# Altium PCB Wireless_thermometer_one_PCB.PcbDoc (continued)
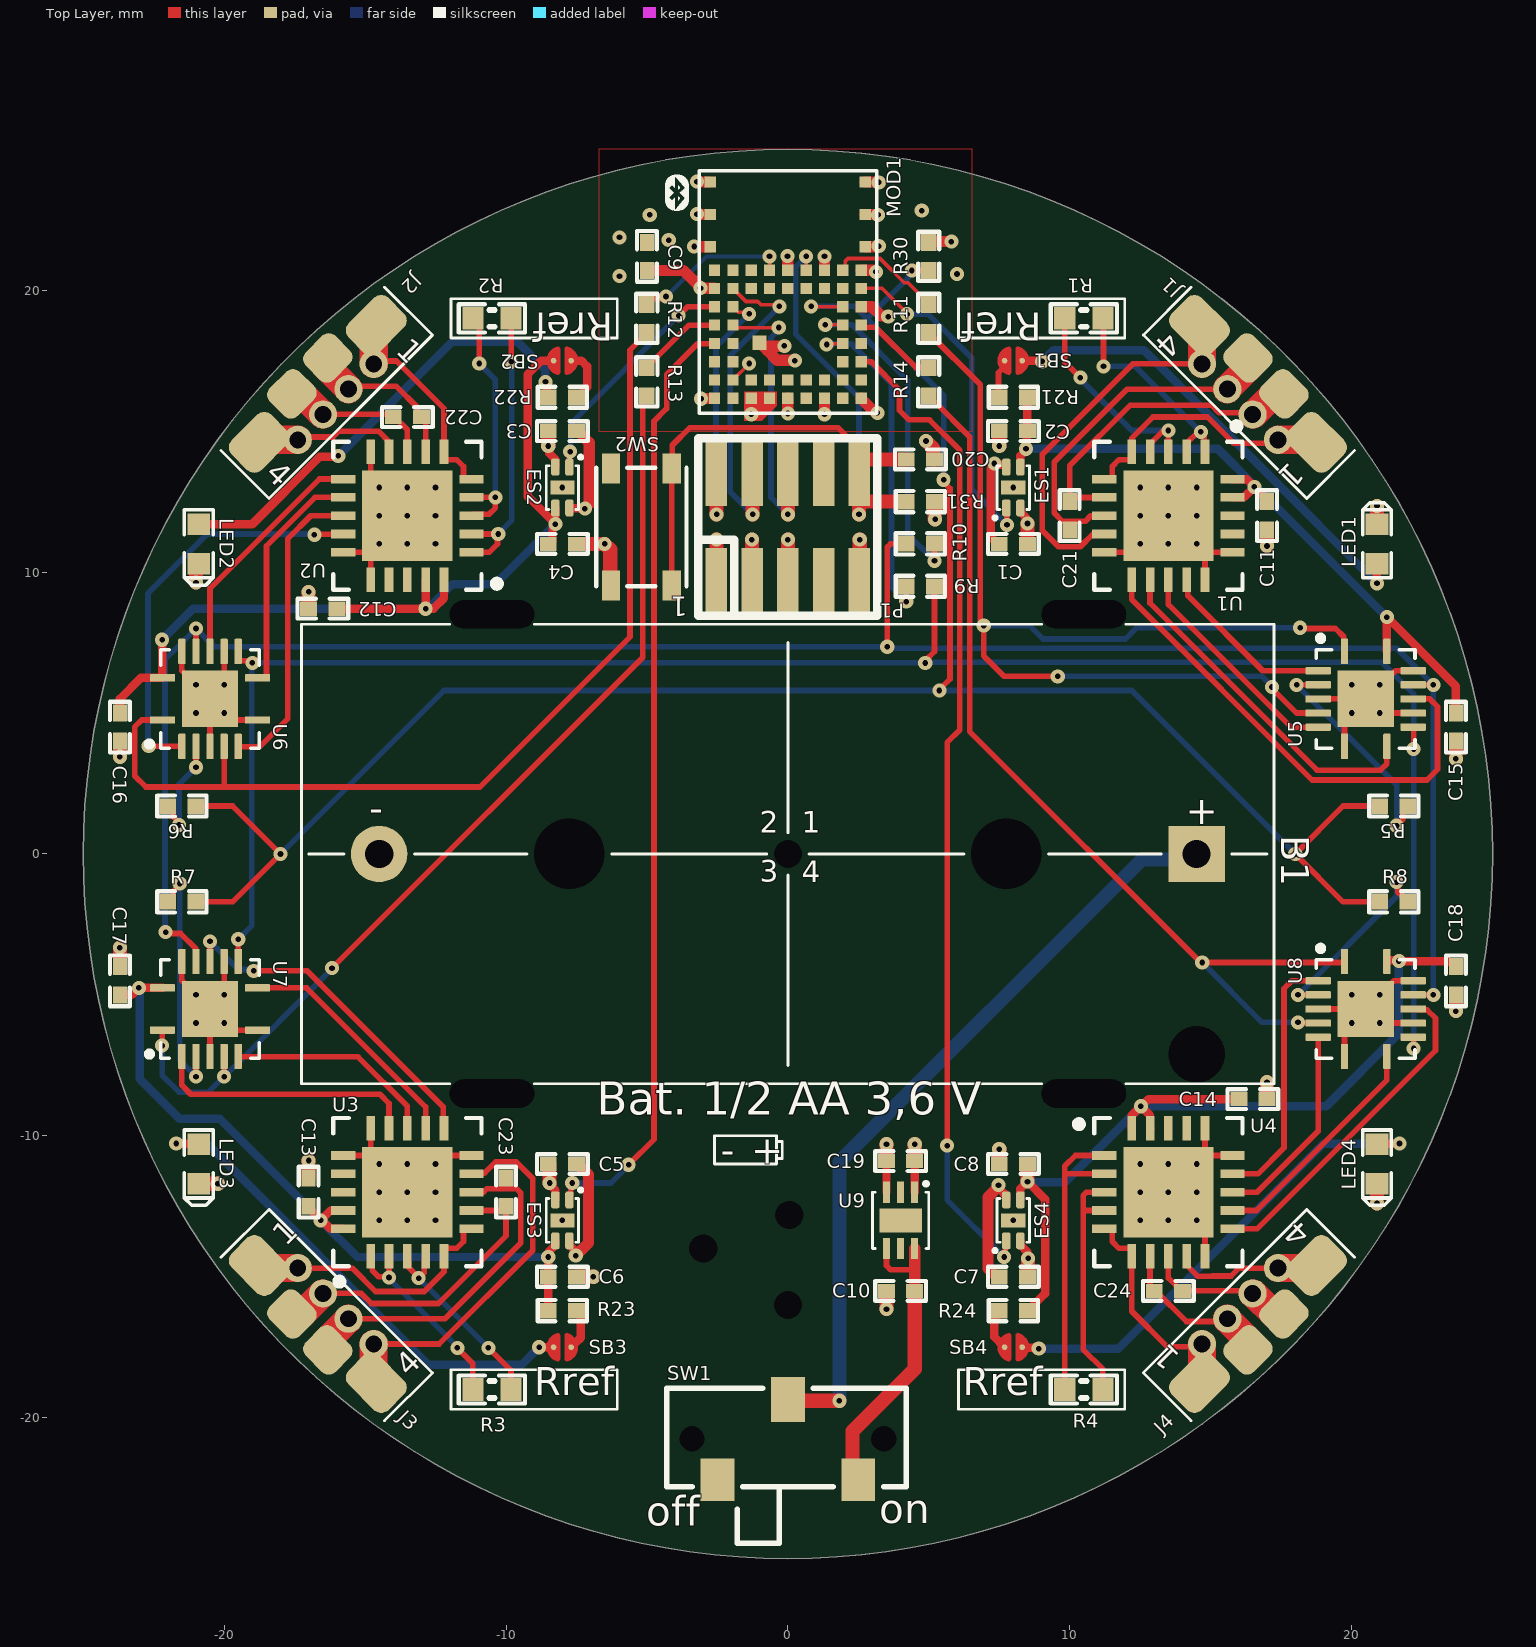
[diagram p0: Top Layer view]
## Nets (pads, with @x,y where several pads share a name; then routed paths per layer and width w, separated by ;. In a path a pad name is that pad's centre, name@x,y a point inside that pad or via, vN(x,y) a via of type N, cw(c..) or ccw(c..) an arc to the next point about the centre after c; other vN are vias at no path point) (continued)
NetB1_1: B1.1 SW1.2 | length 27.5
  Top Layer w0.5: SW1.2 0.05,-19.4 v1(1.825,-19.4)
  Inner Layer 2 - VDD w0.5: B1.1@14.309,-0.191 B1.1
  Bottom Layer w0.5: v1(1.825,-19.4) 1.825,-10.925 12.559,-0.191 B1.1@14.309,-0.191
NetC10_2: C10.2 SW1.3 U9.4 U9.6 | length 10.9
  Top Layer w0.2: U9.4 3.5,-14.604 3.646,-14.75 4.5,-14.75 ; 4.5,-14.6 4.525,-14.6
  Top Layer w0.4: C10.2@4.5,-15.475 4.5,-14.6 U9.6
  Top Layer w0.5: SW1.3 2.3,-22 2.3,-20.475 4.5,-18.275 C10.2
NetC21_1: C21.1 J1.3 U1.8 | length 12.5
  Top Layer w0.2: U1.8 11.225,11.997 10.747,11.997 10.55,11.8 9.75,11.8 9.45,12.1 9.45,13.9 12.039,16.489 J1.3@15.591,16.489
  Top Layer w1: J1.3@15.591,16.489 15.591,16.511 16.4,17.319 J1.3@16.4,17.675
NetC21_2: C21.2 J1.2 U1.7 | length 12.5
  Top Layer w0.2: 10,13.35 10,12.65 10.003,12.647 11.225,12.647 U1.7 ; 10,13.375 10,13.775 12.15,15.925 15.025,15.925 15.299,15.651 16.571,15.651 16.712,15.651 17.419,16.359 J1.2@17.435,16.375
  Top Layer w1: J1.2@16.489,15.591 16.511,15.591 16.571,15.651 17.278,16.359 17.419,16.359 17.561,16.359 J1.2@17.596,16.323
NetC22_1: C22.1 J2.3 U2.8 | length 6
  Top Layer w0.2: J2.3@-17.7,16.475 J2.3@-17.535,16.475 ; J2.3@-16.752,15.691 J2.3@-16.641,15.691 ; J2.3@-16.65,15.7 J2.3@-16.641,15.691 ; J2.3@-16.589,15.691 -16.611,15.691 J2.3@-16.641,15.691 ; U2.8@-13.503,14.272 U2.8@-13.5,14.275 ; U2.8 U2.8@-13.5,14.275 ; J2.3@-16.641,15.691 -16.546,15.596 -16.515,15.596 -14.096,15.596 C22.1 -13.95,15.5 -13.5,15.05 U2.8@-13.5,14.275
  Top Layer w1: J2.3@-17.596,16.323 -17.561,16.359 -17.278,16.359 -16.611,15.691 -16.515,15.596 -16.511,15.591 J2.3@-16.489,15.591
NetC22_2: C22.2 J2.2 U2.7 | length 6.2
  Top Layer w0.2: J2.2@-16.45,17.51 J2.2@-16.45,17.65 ; J2.2@-15.691,16.589 J2.2@-15.691,16.591 ; J2.2@-15.691,16.752 -15.691,16.611 J2.2@-15.691,16.591 ; C22.2 -13.05,15.5 -13.15,15.6 -13.15,15.85 -13.889,16.589 -15.67,16.589 -15.689,16.589 J2.2@-15.691,16.591 ; C22.2@-12.853,15.472 -12.853,14.275 U2.7
  Top Layer w1: J2.2@-16.323,17.596 -16.359,17.561 -16.359,17.278 -15.691,16.611 -15.67,16.589 -15.591,16.511 J2.2@-15.591,16.489
NetC23_1: C23.1 J3.3 U3.8 | length 13.8
  Top Layer w0.2: J3.3@-16.625,-17.75 -16.625,-17.685 -16.359,-17.419 -15.691,-16.752 -15.691,-16.611 J3.3@-15.691,-16.589 ; J3.3@-15.591,-16.489 -12.164,-16.489 -9.475,-13.8 -9.475,-12.025 -9.625,-11.875 -10,-11.875 ; U3.8@-11.15,-12 U3.8@-11.147,-11.997 ; U3.8@-10.8,-12 -10.675,-11.875 -10,-11.875 ; C23.1 -10,-11.875
  Top Layer w1: J3.3@-16.323,-17.596 -16.359,-17.561 -16.359,-17.419 -16.359,-17.278 -15.691,-16.611 -15.591,-16.511 J3.3@-15.591,-16.489
NetC23_2: C23.2 J3.2 U3.7 | length 12.4
  Top Layer w0.2: J3.2@-17.7,-16.425 -17.485,-16.425 -17.419,-16.359 J3.2@-16.752,-15.691 ; J3.2@-16.489,-15.591 -15.134,-15.591 -14.775,-15.95 -12.4,-15.95 -10,-13.55 C23.2@-10,-12.65 ; U3.7 C23.2@-10.1,-12.65
  Top Layer w1: J3.2@-17.596,-16.323 -17.561,-16.359 -17.419,-16.359 -17.278,-16.359 -16.511,-15.591 J3.2@-16.489,-15.591
NetC24_1: C24.1 J4.3 U4.8 | length 6.7
  Top Layer w0.2: U4.8 13.5,-15.05 13.975,-15.525 C24.1@14.025,-15.525 ; C24.1 16.225,-15.5 16.302,-15.577 16.312,-15.577 16.325,-15.589 J4.3@16.325,-15.6 ; J4.3@16.6,-15.675 16.735,-15.675 17.419,-16.359 17.448,-16.388 J4.3@17.661,-16.388
  Top Layer w1: J4.3@16.489,-15.591 16.511,-15.591 17.278,-16.359 17.419,-16.359 17.561,-16.359 J4.3@17.596,-16.323
NetC24_2: C24.2 J4.2 U4.7 | length 6.8
  Top Layer w0.2: C24.2@12.85,-15.55 U4.7 ; C24.2 13.05,-15.5 14.139,-16.589 15.664,-16.589 J4.2@15.675,-16.6 ; J4.2@15.725,-16.785 J4.2@16.359,-17.419 ; J4.2@16.388,-17.661 J4.2@16.388,-17.596
  Top Layer w1: J4.2@15.591,-16.489 15.591,-16.511 16.359,-17.278 16.359,-17.419 16.359,-17.561 J4.2@16.323,-17.596
NetJ1_1: J1.1 U1.5 U1.6 | length 10.9
  Top Layer w0.2: U1.6 11.481,13.3 11.509,13.328 11.509,13.75 11.75,13.992 12.172,13.992 12.175,13.994 U1.5@12.175,14 ; U1.5@12.203,14.153 12.203,14.753 12.95,15.5 14.884,15.5 15.809,14.575 17.269,14.575 J1.1@17.387,14.693 ; J1.1@17.53,14.836 18.714,14.836 J1.1@18.875,14.675
  Top Layer w1: J1.1@17.387,14.693 18.137,14.693 18.222,14.778 18.575,14.778 J1.1@18.752,14.601
NetJ1_4: J1.4 U1.9 | length 13.8
  Top Layer w0.2: U1.9@11.225,11.35 11.222,11.347 10.822,11.347 10.375,10.9 9.6,10.9 9.025,11.475 9.025,14.175 12.237,17.387 J1.4@14.693,17.387
  Top Layer w1: J1.4@14.601,18.752 14.778,18.575 14.778,18.222 14.693,18.137 J1.4@14.693,17.387
NetJ2_1: J2.1 U2.5 U2.6 | length 7.7
  Top Layer w0.2: J2.1@-14.778,17.487 -13.887,17.487 -12.2,15.8 U2.6@-12.2,14.325 ; U2.6 -12.2,14.019 -12.172,13.991 -11.75,13.991 -11.509,13.75 -11.509,13.328 -11.481,13.3 U2.5@-11.475,13.3
  Top Layer w1: J2.1@-14.693,17.387 -14.693,18.137 -14.778,18.222 -14.778,18.575 J2.1@-14.601,18.752
NetJ2_4: J2.4 U2.9 | length 6.3
  Top Layer w0.2: J2.4@-18.718,14.836 J2.4@-17.487,14.836 ; J2.4@-17.487,14.793 -17.386,14.793 -16.132,14.793 -15.925,15 -14.525,15 U2.9@-14.15,14.625
  Top Layer w1: J2.4@-18.752,14.601 -18.575,14.778 -18.222,14.778 -18.137,14.693 J2.4@-17.387,14.693
NetJ3_1: J3.1 U3.5 U3.6 | length 9.4
  Top Layer w0.2: J3.1@-17.387,-14.693 -15.457,-14.693 -14.625,-15.525 -12.9,-15.525 -12.2,-14.825 U3.5@-12.2,-14.3 ; U3.5 -12.2,-14.019 -12.172,-13.991 -11.75,-13.991 -11.509,-13.75 -11.509,-13.328 -11.481,-13.3 U3.6@-11.425,-13.3
  Top Layer w1: J3.1@-18.752,-14.601 -18.575,-14.778 -18.222,-14.778 -18.137,-14.693 J3.1@-17.387,-14.693
NetJ3_4: J3.4 U3.9 | length 13.5
  Top Layer w0.2: J3.4@-14.693,-17.387 -12.372,-17.387 -9.05,-14.066 -9.05,-11.511 -9.636,-10.925 -10.364,-10.925 -10.761,-11.322 -11.122,-11.322 U3.9@-11.15,-11.35
  Top Layer w1: J3.4@-14.701,-18.699 -14.778,-18.622 -14.778,-18.222 -14.701,-18.145 -14.701,-17.395 J3.4@-14.693,-17.387
NetJ4_1: J4.1 U4.5 U4.6 | length 8.3
  Top Layer w0.2: U4.5 11.481,-13.3 11.509,-13.328 11.509,-13.75 11.75,-13.991 12.172,-13.991 12.2,-14.019 12.2,-16.225 13.462,-17.487 14.713,-17.487 J4.1@14.75,-17.45
  Top Layer w1: J4.1@14.601,-18.752 14.778,-18.575 14.778,-18.222 14.693,-18.137 J4.1@14.693,-17.387
NetJ4_4: J4.4 U4.9 | length 6.6
  Top Layer w0.2: U4.9 14.178,-14.299 14.178,-14.621 14.533,-14.977 15.067,-14.977 15.069,-14.975 15.725,-14.975 16.007,-14.693 17.182,-14.693 J4.4@17.25,-14.625 ; J4.4@17.53,-14.836 18.739,-14.836 J4.4@18.875,-14.7
  Top Layer w1: J4.4@17.387,-14.693 18.137,-14.693 18.222,-14.778 18.575,-14.778 J4.4@18.752,-14.601
NetLED1_2: LED1.2 SB1.1 | length 16.8
  Top Layer w0.3: SB1.1@8.338,17.5 9,17.5 v1(9.025,17.475) ; v1(20.9,9.6) 20.9,10.175 LED1.2@20.975,10.25
  Bottom Layer w0.3: v1(9.025,17.475) 9.425,17.875 12.625,17.875 16.818,13.682 v1(20.9,9.6)
NetLED2_2: LED2.2 R22.2 | length 16.5
  Top Layer w0.3: LED2.2@-21,11.699 -19.001,11.699 -16.613,14.087 -15.988,14.087 v1(-15.95,14.125) ; v1(-8.6,16.75) -8.562,16.712 -8.562,16.262 R22.2
  Bottom Layer w0.3: v1(-15.95,14.125) -11.9,18.175 -9.6,18.175 -8.6,17.175 v1(-8.6,16.75)
NetLED3_2: LED3.2 SB3.1 | length 17.6
  Top Layer w0.3: v1(-21.7,-10.275) -21.687,-10.288 -20.987,-10.288 LED3.2@-20.975,-10.3 ; v1(-8.825,-17.5) SB3.1@-8.338,-17.5
  Bottom Layer w0.3: v1(-21.7,-10.275) -20.6,-10.275 -12.75,-18.125 -9.45,-18.125 v1(-8.825,-17.5)
NetLED4_2: LED4.2 SB4.1 | length 17.2
  Top Layer w0.3: SB4.1@8.338,-17.425 8.425,-17.512 8.862,-17.512 v1(8.9,-17.55) ; LED4.2@21.013,-10.363 21.1,-10.275 v1(21.7,-10.275)
  Bottom Layer w0.3: v1(8.9,-17.55) 11.725,-17.55 19,-10.275 v1(21.7,-10.275)
NetMOD1_4: MOD1.4 R12.1 | length 5.6
  Top Layer w0.125: MOD1.4@-0.65,20.675 v1(-0.65,21.2)
  Top Layer w0.2: R12.1@-4.987,19.462 -4.987,19.537 -4.825,19.7 -4.481,19.7 -4.406,19.775 v1(-4.325,19.775)
  Bottom Layer w0.15: v1@-4.314,19.775 -2.889,21.2 v1(-0.65,21.2)
  Bottom Layer w0.2: v1(-4.325,19.775) v1@-4.314,19.775
NetMOD1_8: MOD1.8 R11.1 | length 4.1
  Top Layer w0.125: MOD1.8@1.95,20.7 2.044,20.794 2.044,21.037 2.131,21.125 3.269,21.125 4.131,20.262 4.263,20.262 5,19.525 R11.1
NetMOD1_12: MOD1.12 R14.1 | length 3
  Top Layer w0.2: MOD1.12 2.681,18.682 3.118,18.682 4.542,17.258 R14.1@5.017,17.258
NetMOD1_28: MOD1.28 R13.1 | length 3
  Top Layer w0.125: R13.1 R13.1@-5,17.275
  Top Layer w0.2: R13.1@-5,17.275 -3.512,18.763 MOD1.28
NetMOD1_39: MOD1.39 R10.2 | length 11.8
  Top Layer w0.125: v1(1.325,18.775) 1.331,18.769 1.944,18.769 MOD1.39
  Top Layer w0.2: v1(5.2,10.4) R10.2
  Bottom Layer w0.2: v1(1.325,18.775) 2.275,18.775 4.25,16.8 4.25,11.35 v1(5.2,10.4)
NetMOD1_40: MOD1.40 R9.2 | length 12
  Top Layer w0.125: v1(1.375,18.075) 1.394,18.094 1.931,18.094 MOD1.40
  Top Layer w0.2: v1(4.2,8.95) R9.2
  Bottom Layer w0.2: v1(1.375,18.075) 1.4,18.1 2.25,18.1 3.675,16.675 3.675,9.475 v1(4.2,8.95)
NetR1_1: R1.1 U1.3 U1.4 | length 8.1
  Top Layer w0.2: R1.1 9.825,17.45 v1(10.375,16.9) ; U1.4 12.85,14.549 13.269,14.968 13.443,14.968 v1(13.5,15.025) ; U1.3 v1@13.5,14.952
  Bottom Layer w0.2: v1(10.375,16.9) 10.375,16.85 12.2,15.025 v1(13.5,15.025)
NetR1_2: R1.2 U1.1 U1.2 | length 7.9
  Top Layer w0.2: R1.2 11.2,18.975 v1(11.2,17.3) ; U1.2 14.203,14.325 14.203,14.628 14.493,14.918 14.593,14.918 v1(14.65,14.975) 14.65,14.907 14.772,14.785 14.772,14.296 U1.1@14.797,14.272
  Bottom Layer w0.2: v1(11.2,17.3) 12.325,17.3 v1(14.65,14.975)
NetR2_1: R2.1 U2.3 U2.4 | length 8.6
  Top Layer w0.2: U2.3 -11.175,12.053 -10.597,12.053 -10.376,12.274 -10.376,12.649 v1(-10.375,12.65) -10.378,12.653 -10.948,12.653 U2.4@-10.951,12.65 ; R2.1 -10.95,18.775 v1(-10.95,17.4)
  Bottom Layer w0.2: v1(-10.95,17.4) -10.375,16.825 v1(-10.375,12.65)
NetR2_2: R2.2 U2.1 U2.2 | length 10.2
  Top Layer w0.2: U2.1 -10.6,10.7 -10.301,10.999 -10.301,11.324 v1(-10.275,11.35) U2.2 ; R2.2 -9.813,18.987 -9.813,17.462 v1(-9.816,17.459)
  Bottom Layer w0.2: v1(-10.275,11.35) -9.8,11.825 -9.8,17.443 v1(-9.816,17.459)
NetR3_1: R3.1 U3.3 U3.4 | length 7.1
  Top Layer w0.2: U3.3 -13.447,-14.325 -13.447,-14.682 -13.1,-15.029 v1(-13.1,-15.05) -12.903,-14.853 -12.903,-14.325 U3.4 ; v1(-10.625,-17.525) -9.825,-18.325 R3.1
  Bottom Layer w0.2: v1(-13.1,-15.05) v1(-10.625,-17.525)
NetR3_2: R3.2 U3.1 U3.2 | length 7.2
  Top Layer w0.2: U3.1 -14.747,-14.325 -14.747,-14.778 -14.523,-15.002 -14.173,-15.002 v1(-14.15,-15.025) U3.2 ; v1(-11.725,-17.525) -11.725,-17.536 -11.175,-18.086 R3.2
  Bottom Layer w0.2: v1(-14.15,-15.025) -14.15,-15.062 -11.725,-17.487 v1(-11.725,-17.525)
NetR4_1: R4.1 U4.3 U4.4 | length 8.7
  Top Layer w0.2: R4.1 11.175,-18.275 10.475,-17.575 10.475,-12.625 ; U4.4 10.5,-12.65 10.475,-12.625 ; U4.3 10.592,-12 10.475,-12.117 10.475,-12.625
NetR4_2: R4.2 U4.1 U4.2 | length 10.9
  Top Layer w0.2: R4.2 9.825,-11.325 ; U4.2 9.85,-11.35 9.825,-11.325 ; U4.1 10.2,-10.7 9.825,-11.075 9.825,-11.325
NetR5_2: R5.2 U5.3 | length 8.1
  Top Layer w0.2: v1(18.05,6) 18.8,6 U5.3@18.825,5.975 ; v1@21.7,1.025 21.7,1.106 21.809,1.215 21.809,1.525 21.987,1.704 R5.2@22,1.704
  Bottom Layer w0.2: v1(18.05,6) 21.6,2.45 v1(21.6,1)
NetR6_2: R6.2 U6.3 | length 3.9
  Top Layer w0.2: R6.2 -21.975,1.7 -21.8,1.525 -21.8,1.306 -21.6,1.106 v1(-21.6,1.025) ; v1(-21,3.075) -21,3.1 U6.3
  Bottom Layer w0.2: v1(-21.6,1.025) -21.6,2.475 v1(-21,3.075)
NetR7_2: R7.2 U7.3 | length 8.6
  Top Layer w0.2: R7.2 -21.975,-1.7 -21.8,-1.525 -21.8,-1.317 -21.575,-1.092 v1(-21.575,-1.05) ; v1(-21,-7.9) U7.3
  Bottom Layer w0.2: v1(-21.575,-1.05) -21.575,-7.325 v1(-21,-7.9)
NetR8_2: R8.2 U8.3 | length 7
  Top Layer w0.2: v1(18.1,-5) U8.3 ; v1(21.6,-1) 21.639,-1.039 21.639,-1.339 21.8,-1.5 21.8,-1.525 21.975,-1.7 R8.2
  Bottom Layer w0.2: v1(18.1,-5) 21.6,-1.5 v1(21.6,-1)
NetR21_2: R21.2 SB1.2 | length 1.4
  Top Layer w0.2: R21.2@7.475,16.175 7.475,17.075 7.688,17.288 SB1.2
NetR22_1: R22.1 SB2.1 | length 1.9
  Top Layer w0.3: SB2.1 -7.513,17.5 -7.325,17.5 -7.125,17.3 -7.125,16.55 -7.475,16.2 R22.1
NetR23_2: R23.2 SB3.2 | length 1.5
  Top Layer w0.2: R23.2@-7.662,-16.212 R23.2@-7.65,-16.2
  Top Layer w0.3: SB3.2 -7.539,-17.351 -7.35,-17.162 -7.35,-16.325 -7.475,-16.2 R23.2
NetR24_2: R24.2 SB4.2 | length 1.5
  Top Layer w0.2: 7.525,-17.337 7.539,-17.351 SB4.2
  Top Layer w0.3: R24.2 7.475,-16.2 7.35,-16.325 7.35,-16.476 7.325,-16.501 7.325,-17.137 7.525,-17.337
NetU1_11: U1.11 U5.11 | length 17.4
  Top Layer w0.2: U1.11 12.2,9.025 18.6,2.625 22.675,2.625 23.05,3 23.05,5.225 22.775,5.5 U5.11@22.3,5.5
NetU1_12: U1.12 U5.8 | length 12.4
  Top Layer w0.2: U1.12 12.85,8.9 18.775,2.975 21.025,2.975 21.25,3.2 U5.8@21.25,3.775
NetU1_13: U1.13 U5.6 | length 8
  Top Layer w0.2: U1.13 13.5,8.85 17.85,4.5 U5.6@18.775,4.5
NetU1_14: U1.14 U5.2 | length 6.3
  Top Layer w0.2: U1.14 14.189,9.689 14.189,9.161 16.85,6.5 U5.2
NetU2_11: U2.11 U6.11 | length 8.2
  Top Layer w0.2: U6.11 -20.5,9.42 -16.62,13.3 U2.11@-16.1,13.3
NetU2_12: U2.12 U6.8 | length 8.3
  Top Layer w0.2: U6.8 -18.527,6.25 -18.497,6.28 -18.497,10.928 -16.775,12.65 U2.12@-15.931,12.65
NetU2_13: U2.13 U6.6 | length 10.5
  Top Layer w0.2: U6.6@-19.5,3.8 -18.75,3.8 -17.739,4.811 -17.739,11.186 -16.925,12 U2.13@-16.133,12
NetU2_14: U2.14 U6.2 | length 14.4
  Top Layer w0.2: v1(-22.675,3.825) U6.2@-21.51,3.825 ; v1(-16.8,11.325) -16.788,11.337 -15.784,11.337 U2.14
  Bottom Layer w0.2: v1(-22.675,3.825) -22.7,3.85 -22.7,9.25 -20.6,11.35 -16.825,11.35 v1(-16.8,11.325)
NetU3_11: U3.11 U7.11 | length 12.2
  Top Layer w0.2: U7.11@-20.5,-3.725 v1(-20.5,-3.1) ; v1(-18.95,-4.15) -17.05,-4.15 -12.229,-8.971 -12.229,-9.846 U3.11@-12.2,-9.875
  Bottom Layer w0.2: v1(-20.5,-3.1) -19.5,-4.1 -19,-4.1 v1(-18.95,-4.15)
NetU3_12: U3.12 U7.8 | length 8.5
  Top Layer w0.2: U7.8 -17.075,-4.75 -12.85,-8.975 U3.12@-12.85,-9.8
NetU3_13: U3.13 U7.6 | length 7.5
  Top Layer w0.2: U7.6@-19.5,-7.2 -15.25,-7.2 -13.5,-8.95 U3.13
NetU3_14: U3.14 U7.2 | length 9.5
  Top Layer w0.2: U7.2 -21.5,-8.207 -21.182,-8.525 -14.475,-8.525 -14.15,-8.85 U3.14
NetU4_11: U4.11 U8.11 | length 11.9
  Top Layer w0.2: U4.11@15.775,-13.3 16.65,-13.3 22.975,-6.975 22.975,-5.825 22.68,-5.53 22.215,-5.53 U8.11
NetU4_12: U4.12 U8.8 | length 8.2
  Top Layer w0.2: U4.12 16.624,-12.65 21.25,-8.024 U8.8@21.25,-7.225
NetU4_13: U4.13 U8.6 | length 7.3
  Top Layer w0.2: U4.13 16.65,-12 18.815,-9.835 U8.6
NetU4_14: U4.14 U8.2 | length 9.2
  Top Layer w0.2: U4.14 16.675,-11.35 17.6,-10.425 17.6,-4.778 17.878,-4.5 U8.2
nRESET_1: C20.2 MOD1.6 P1.10 R31.1 SW2.2 | length 28.5
  Top Layer w0.125: MOD1.6 v1@0.65,21.175
  Top Layer w0.2: SW2.2@-4.125,9.525 -4.125,13.675 -4.1,13.7 -4.1,14.5 -3.475,15.125 1.785,15.125 2.54,14.37 P1.10@2.54,13.87
  Top Layer w0.5: v1(2.525,12.05) P1.10@2.525,12.5 ; R31.1@4.175,12.5 2.7,12.5 2.67,12.53 2.67,13.42 P1.10 2.54,13.87 2.67,14 C20.2
  Bottom Layer w0.2: v1(0.65,21.2) 0.275,20.825 0.275,18.45 2.525,16.2 v1(2.525,12.05)
SCLK: R9.1 U5.9 U6.9 U7.9 U8.9 | length 69.6
  Top Layer w0.2: U7.9 v1(-19.5,-3.025) ; U6.9@-19.5,6.865 -19.495,6.86 -19.145,6.86 -19.065,6.78 v1(-18.997,6.78) ; v1(4.875,6.775) 4.875,6.856 5.2,7.181 R9.1 ; U5.9 22.195,4.5 22.2,4.495 v1(22.2,3.725) ; v1(22.2,-6.9) U8.9@22.2,-6.5
  Bottom Layer w0.2: v1(-19.5,-3.025) -19.025,-2.55 -19.025,6.752 v1(-18.997,6.78) ; v1@-18.994,6.784 -18.987,6.777 4.872,6.777 v1(4.875,6.775) 4.907,6.807 21.068,6.807 22.2,5.675 v1(22.2,3.725) v1(22.2,-6.9)
SDI: R10.1 U5.12 U6.12 U7.12 U8.12 | length 75.2
  Top Layer w0.2: v1(-22.075,-2.775) -22.027,-2.823 -21.542,-2.823 -21.005,-3.36 -21.005,-3.81 U7.12 ; U6.12 -21,7.875 v1(-21,8) ; v1(3.525,7.35) 3.525,10.883 3.642,11 R10.1 ; U8.12 v1(22.9,-5) ; U5.12@22.225,6 v1(22.9,6)
  Bottom Layer w0.2: v1(-22.075,-2.775) -22.1,-2.75 -22.1,6.9 v1(-21,8) -20.35,7.35 v1(3.525,7.35) 3.575,7.3 21.6,7.3 v1(22.9,6) v1(22.9,-5)
SDO: MOD1.38 R5.1 R6.1 R7.1 R8.1 R30.1 | length 76.5
  Top Layer w0.125: v1(0.825,19.425) 0.831,19.419 MOD1.38@1.969,19.419
  Top Layer w0.2: R7.1 -19.7,-1.7 v1(-18,0) -19.7,1.7 R6.1 ; v1(4.4,20.7) R30.1 ; v1(5.375,5.8) 5.375,5.828 5.75,6.203 5.75,12.969 5.525,13.194 v1(5.525,13.275) ; R8.1 19.7,-1.7 v1(18,0) 19.7,1.7 R5.1@21.025,1.7
  Bottom Layer w0.2: v1(-18,0) -12.2,5.8 v1(5.375,5.8) 12.2,5.8 v1(18,0) ; v1(0.825,19.425) 2.375,19.425 2.725,19.075 2.812,18.987 ; v1(4.4,20.7) 4.4,20.619 4.274,20.492 4.274,20.449 2.812,18.987 ; v1(5.525,13.275) 5.525,16.275 2.812,18.987
SWDCLK_1: MOD1.31 P1.4 | length 11.9
  Top Layer w0.125: MOD1.31@-1.979,20.075 -1.842,19.938 -1.822,19.938 -1.485,19.6 -1.075,19.6 -0.967,19.492 -0.367,19.492 v1(-0.3,19.425)
  Top Layer w0.2: P1.4 P1.4@-1.25,13.53
  Top Layer w0.5: P1.4 -1.25,13.53 v1(-1.25,12.05)
  Bottom Layer w0.2: v1(-1.25,12.05) -2.05,12.85 -2.05,17.675 v1(-0.3,19.425)
SWDIO_1: MOD1.52 P1.2 | length 9.8
  Top Layer w0.125: MOD1.52 -1.757,19.22 -1.432,19.22 v1(-1.375,19.162)
  Top Layer w0.2: P1.2 P1.2@-2.525,13.535
  Top Layer w0.5: v1(-2.525,12.05) P1.2@-2.525,13.535
  Bottom Layer w0.2: v1(-2.525,12.05) -2.55,12.075 -2.55,17.988 v1(-1.375,19.162)
SWO_1: MOD1.51 P1.6 | length 10.2
  Top Layer w0.125: MOD1.51 -1.85,18.663 -0.337,18.663 v1(-0.325,18.675)
  Top Layer w0.5: v1(0,12.05) P1.6
  Bottom Layer w0.2: v1(-0.325,18.675) -0.325,18.594 -0.6,18.319 -0.6,12.65 v1(0,12.05)
VDD: C1.2 C3.2 C5.2 C7.2 C9.2 C19.2 ES1.4 ES2.4 ES3.4 ES4.4 MOD1.21 MOD1.22 MOD1.30 P1.1 R30.2 R31.2 U9.1 | length 22.7
  Top Layer w0.3: ES3.4 -7.75,-13.875 -7.565,-14.06 -7.565,-14.158 -7.525,-14.199 v1(-7.525,-14.25) ; ES2.4 -7.75,12.263 -7.213,12.263 v1(-7.2,12.25) ; U9.1 C19.2 ; v1(7.475,-11.75) 7.513,-11.788 7.513,-11.888 7.75,-12.125 ES4.4 ; C1.2 7.45,11 7.2,11.25 7.2,13.671 7.325,13.796 v1(7.325,13.85) 7.363,13.812 7.75,13.812 ES1.4
  Top Layer w0.4: v1(-7.525,-14.25) -7.075,-13.8 -7.075,-11.375 C5.2@-7.475,-10.975 ; C3.2 -7.45,15 -7.05,14.6 -7.05,12.427 -7.2,12.277 v1(-7.2,12.25) ; C9.2 -3.7,20.7 v1@-3.069,20.069 ; v1(-3.1,20.075) -3.094,20.069 v1@-3.069,20.069 ; MOD1.30 -2.606,20.069 v1@-3.069,20.069 ; R30.2 5.025,21.725 v1(5.8,21.725) ; C7.2@7.3,-14.9 7.1,-14.7 7.1,-12.179 v1@7.475,-11.804
  Top Layer w0.5: P1.1 -2.532,9.657 -2.532,11.142 v1(-2.525,11.15) ; C19.2 v1(4.5,-10.3) ; R31.2 5.213,12.488 5.213,11.887 v1(5.225,11.875)
  other v1: -1.3,15.6
VDD_U1: C2.2 C11.2 C15.2 ES1.3 R21.1 U1.19 U1.20 U5.14 | length 26.4
  Top Layer w0.3: ES1.3 8.25,14.121 8.45,14.321 v1(8.45,14.375) 8.475,14.4 8.475,14.975 C2.2 ; C2.2@8.5,14.95 8.5,16.05 8.475,16.075 8.35,16.075 8.475,16.2 R21.1 ; U1.19 15.775,12.653 16.178,12.653 v1(16.55,13.025) ; U1.20 15.775,13.297 16.278,13.297 v1(16.55,13.025) ; C11.2@17.025,12.475 17.025,12.525 16.656,12.894 16.656,12.919 v1(16.55,13.025) ; v1@21.2,8.45 v1(21.25,8.4) ; U5.14 v1(21.25,8.4) ; C15.2 23.7,5.95 v1(21.25,8.4)
  Inner Layer 2 - VDD w0.3: v1@21.225,8.4 v1(21.25,8.4)
  Bottom Layer w0.3: v1(8.45,14.375) 15.25,14.375 16.55,13.075 v1(16.55,13.025) 16.604,13.025 16.729,12.9 16.75,12.9 21.225,8.425 v1@21.225,8.4
VDD_U2: C4.2 C12.2 C16.2 ES2.3 SB2.2 U2.19 U2.20 U6.14 | length 33.2
  Top Layer w0.3: C16.2 -23.7,5.5 -22.95,6.25 U6.14 ; U6.14@-22.2,6.27 v1(-22.2,7.6) ; C12.2 v1(-12.85,8.7) ; U2.19 v1(-12.85,8.7) ; U2.20@-12.2,9.725 -12.2,9.073 -12.571,8.701 v1(-12.85,8.7) v1(-12.85,8.7) ; C4.2 -8.45,11 -8.35,11.1 -8.35,11.546 -8.25,11.646 v1(-8.25,11.7) -9.225,12.675 -9.225,17.025 -8.75,17.5 -8.487,17.5 -8.483,17.5 SB2.2 ; ES2.3 -8.25,11.725 v1@-8.225,11.7
  Bottom Layer w0.3: v1(-22.2,7.6) -21.1,8.7 v1(-12.85,8.7) v1@-12.804,8.7 ; v1@-12.769,8.7 -11.894,9.575 -10.375,9.575 v1(-8.25,11.7)
VDD_U3: C6.2 C13.1 C17.2 ES3.3 R23.1 U3.19 U3.20 U7.14 | length 27.3
  Top Layer w0.3: C17.2@-23.75,-5.075 C17.2@-23.75,-5 ; C17.2@-23.65,-4.9 -23.7,-4.95 C17.2 -23.275,-5 v1(-23.025,-4.75) ; v1@-23.052,-4.75 v1(-23.025,-4.75) ; U7.14 v1(-23.025,-4.75) ; C13.1@-16.987,-12.562 -16.575,-12.975 v1(-16.575,-13) ; U3.20 -15.775,-13.297 -16.224,-13.297 -16.521,-13 v1(-16.575,-13) ; U3.19 -15.775,-12.653 -16.228,-12.653 v1(-16.575,-13) ; R23.1@-8.55,-16.25 R23.1 C6.2 v1(-8.5,-14.3) -8.462,-14.262 -8.462,-14.087 -8.25,-13.875 ES3.3
  Bottom Layer w0.3: v1(-23.025,-4.75) -23,-4.775 -23,-7.975 -21.575,-9.4 -20.15,-9.4 -16.575,-12.975 v1(-16.575,-13) -15.275,-14.3 v1(-8.5,-14.3)
VDD_U4: C8.2 C14.2 C18.2 ES4.3 R24.1 U4.19 U4.20 U8.14 | length 32.3
  Top Layer w0.3: ES4.3 8.25,-11.875 v1(8.5,-11.625) 9.125,-12.25 9.125,-15.6 8.525,-16.2 R24.1 ; U4.20 12.203,-9.725 12.203,-9.272 v1(12.525,-8.95) ; U4.19 12.847,-9.725 12.847,-9.272 v1(12.525,-8.95) ; C14.2 12.801,-8.7 12.551,-8.95 v1(12.525,-8.95) ; U8.14@21.275,-3.775 21.65,-3.775 v1(21.675,-3.8) 23.424,-3.8 23.474,-3.85 23.6,-3.85 23.7,-3.95 C18.2
  Top Layer w0.5: v1(8.5,-11.625) C8.2
  Bottom Layer w0.3: v1(8.5,-11.625) 8.525,-11.65 9.825,-11.65 v1(12.525,-8.95) ; v1@12.59,-8.977 12.617,-8.95 19.1,-8.95 21.675,-6.375 v1(21.675,-3.8)
pads on no net: B1.3 MOD1.2 MOD1.13 MOD1.15 MOD1.17 MOD1.19 MOD1.23 MOD1.25 MOD1.26 MOD1.32 MOD1.33 MOD1.34 MOD1.35 MOD1.36 MOD1.37 MOD1.41 MOD1.42 MOD1.43 MOD1.44 MOD1.45 MOD1.46 MOD1.47 MOD1.49 MOD1.50 P1.7 P1.8 SW1.0 SW1.1 SW2.0 U1.17 U1.18 U2.17 U2.18 U3.17 U3.18 U4.17 U4.18 U9.2 U9.5

## Polygon pours and split planes (outlines as drawn)
GND on Inner Layer 1 - GND "NONET_L02_P001" (solid, shelved, pour order 1): -25,0 ccw(c0,0) 0,-25 ccw(c0,0) 25,0 ccw(c0,0) 0,25 ccw(c0,0)
VDD on Inner Layer 2 - VDD "NONET_L03_P002" (solid, shelved, pour order 2): -25,0 ccw(c0,0) 0,-25 ccw(c0,0) 25,0 ccw(c0,0) 0,25 ccw(c0,0)
GND on Top Layer "NONET_L01_P003" (solid, remove dead copper, shelved, pour order 3): -6.718,25 -6.718,15 6.541,15 6.541,25

## Other copper
Top Layer:
  region net VDD: -1.55,16.4 -0.4,16.4 -0.4,15.9 -0.925,15.375 -1.55,15.375
  pour cut-out: -1.5,-26 -1.5,0 1.5,0 1.5,-26
Inner Layer 1 - GND:
  pour cut-out: -1.5,-26 -1.5,0 1.5,0 1.5,-26
Inner Layer 2 - VDD:
  pour cut-out: -1.5,-26 -1.5,0 1.5,0 1.5,-26
Bottom Layer:
  pour cut-out: -1.5,-26 -1.5,0 1.5,0 1.5,-26

## Silkscreen, mask and mechanical layers (free items; w line width, h text height)
Top Overlay:
  drawing of 35 lines, arcs and shapes, not listed
  text "Rref" at -6.198,19.533 h1.7 r180
  text "Rref" at 9.002,19.533 h1.7 r180
  text "-" at -14.85,1.15 h1
  text "+" at 14.125,1.058 h1
  text "2" at -1.001,0.5 h1.3
  text "1" at 0.5,0.5 h1.3
  text "3" at -1,-1.236 h1.3
  text "4" at 0.5,-1.25 h1.3
  text "Bat. 1/2 AA 3,6 V" at -6.787,-9.647 h2
  text "-" at -2.375,-11 h1
  text "+" at -1.3,-10.992 h1
  text "Rref" at -9.002,-19.533 h1.7
  text "Rref" at 6.198,-19.533 h1.7
  text "on" at 3.251,-24.107 h1.8
  text "off" at -5.025,-24.182 h1.8
Bottom Overlay:
  drawing of 55 lines, arcs and shapes, not listed
  text "documentation:" at 11.675,20.988 h1.3
  text "www.vladimirpokorny.cz/thermometer" at 13.625,19.818 h1.3
  text "HW" at 1.425,17.675 h1.6
  text "Short" at 7.025,17.675 h1.6
  text "Function" at 14.125,17.675 h1.6
  text "SB 1" at 7.025,15.875 h1.5
  text "LED 1" at 14.125,15.875 h1.5
  text "SB 2" at 7.025,13.975 h1.5
  text "LED 2" at 14.125,13.975 h1.5
  text "Rref" at -10.3,13.95 h1.6
  text "Sensor" at -4.2,13.95 h1.6
  text "SB 3" at 7.025,12.075 h1.5
  text "LED 3" at 14.125,12.075 h1.5
  text "400 Ω" at -10.3,12.05 h1.6
  text "PT100" at -4.2,12.05 h1.6
  text "4000 Ω" at -10.3,10.25 h1.6
  text "SB 4" at 7.025,10.175 h1.5
  text "LED 4" at 14.125,10.175 h1.5
  text "PT1000" at -4.2,10.15 h1.6
  text "3" at 12.4,3.139 h1.2
  text "4" at 11.5,3.125 h1.2
  text "2" at 16.9,3.025 h1.2
  text "1" at 17.8,3.025 h1.2
  text "2-Wire" at 23.7,2.725 h1.8
  text "4" at 11.5,-0.975 h1.2
  text "3" at 12.4,-0.961 h1.2
  text "2" at 16.9,-1.075 h1.2
  text "1" at 17.8,-1.075 h1.2
  text "3-Wire" at 23.7,-1.475 h1.8
  text "3" at 12.5,-5.161 h1.2
  text "4" at 11.6,-5.175 h1.2
  text "2" at 17,-5.275 h1.2
  text "1" at 17.9,-5.275 h1.2
  text "4-Wire" at 23.7,-5.675 h1.8
Mechanical 1:
  circle w0.2: c0,0 r25
  lines w0.2: -24.996,-0.436 ccw(c0,0) -0.436,-24.996 ; -24.996,0.436 cw(c0,0) -0.436,24.996 ; 0.436,-24.996 ccw(c0,0) 24.996,-0.436

## Text inside footprints (layer, text, board x,y; h text height)
J1: Mechanical 7 "1" at 17.821,13.953 h0.8 r225; Mechanical 7 "4" at 13.453,18.58 h0.8 r225; Top Overlay "4" at 13.453,18.58 h0.8 r225; Top Overlay "1" at 17.821,13.953 h0.8 r225
J2: Mechanical 7 "1" at -13.953,17.821 h0.8 r315; Mechanical 7 "4" at -18.58,13.453 h0.8 r315; Top Overlay "4" at -18.58,13.453 h0.8 r315; Top Overlay "1" at -13.953,17.821 h0.8 r315
J3: Mechanical 7 "1" at -17.821,-13.953 h0.8 r45; Mechanical 7 "4" at -13.453,-18.58 h0.8 r45; Top Overlay "4" at -13.453,-18.58 h0.8 r45; Top Overlay "1" at -17.821,-13.953 h0.8 r45
J4: Mechanical 7 "1" at 13.953,-17.821 h0.8 r135; Mechanical 7 "4" at 18.58,-13.453 h0.8 r135; Top Overlay "4" at 18.58,-13.453 h0.8 r135; Top Overlay "1" at 13.953,-17.821 h0.8 r135
P1: Mechanical 7 "1" at -3.025,9.55 h0.7 r180; Top Overlay "1" at -3.55,9.125 h0.7 r180